# Allegro board 8880F5-0824_updates.brd (continued)
## Routing (per net, layer and track width the routed paths; a pad name or vN(x,y) marks a point on that pad's centre or on a via; arc(x,y) is an arc through that point) (continued)
114.3,77.01 ; D130.A12 115.11,76.2 ; 322.58,62.79 D302.A7 ; D302.A7 321.87,63.5 ; D302.A7 323.29,63.5 ; D302.A7 322.58,64.21 ; D104.A12 335.28,36.37 ; D104.A12 336.09,35.56 ; D104.A12 334.47,35.56 ; D104.A12 335.28,34.75 ; 330.33,240.85 SITE2.G3 ; SITE2.G3 330.33,241.81 ; SITE2.G3 330.81,241.33 ; SITE2.G3 329.85,241.33 ; 391.16,32.21 D108.A5 ; D108.A5 390.35,33.02 ; D108.A5 391.16,33.83 ; D108.A5 391.97,33.02 ; 311.61,415.29 DPS2.A15 ; DPS2.A15 312.42,414.48 ; DPS2.A15 313.23,415.29 ; DPS2.A15 312.42,416.1 ; 347.98,414.48 DPS2.A01 ; DPS2.A01 348.79,415.29 ; DPS2.A01 347.17,415.29 ; DPS2.A01 347.98,416.1 ; 37.29,93.98 D125.A11 ; D125.A11 38.91,93.98 ; D125.A11 38.1,94.79 ; D125.A11 38.1,93.17 ; 185.42,83.11 D317.A11 ; D317.A11 186.13,83.82 ; D317.A11 185.42,84.53 ; D317.A11 184.71,83.82 ; 176.99,373.38 D231.A10 ; D231.A10 178.61,373.38 ; D231.A10 177.8,372.57 ; D231.A10 177.8,374.19 ; D231.B7 186.23,370.84 ; D231.B7 185.42,370.03 ; D231.B7 184.61,370.84 ; D231.B7 185.42,371.65 ; 414.02,367.49 D111.B4 ; D111.B4 413.21,368.3 ; D111.B4 414.02,369.11 ; D111.B4 414.83,368.3 ; D107.A15 417.37,53.34 ; D107.A15 416.56,54.15 ; D107.A15 416.56,52.53 ; D107.A15 415.75,53.34 ; D322.B8 252.17,71.12 ; D322.B8 251.46,70.41 ; D322.B8 251.46,71.83 ; D322.B8 250.75,71.12 ; 248.92,339.55 CSDPS425.C11 ; CSDPS425.C11 248.92,341.17 ; CSDPS425.C11 249.73,340.36 ; CSDPS425.C11 248.11,340.36 ; 32.21,33.02 D128.A9 ; D128.A9 33.02,32.21 ; D128.A9 33.83,33.02 ; D128.A9 33.02,33.83 ; D301.B14 341.07,91.44 ; D301.B14 340.36,92.15 ; D301.B14 340.36,90.73 ; D301.B14 339.65,91.44 ; D115.A4 340.36,374.19 ; D115.A4 341.17,373.38 ; D115.A4 339.55,373.38 ; D115.A4 340.36,372.57 ; 388.62,60.15 D107.B4 ; D107.B4 387.81,60.96 ; D107.B4 389.43,60.96 ; D107.B4 388.62,61.77 ; D112.A2 419.1,394.51 ; D112.A2 419.1,392.89 ; D112.A2 418.29,393.7 ; D112.A2 419.91,393.7 ; 232.97,63.5 D322.A1 ; D322.A1 234.39,63.5 ; D322.A1 233.68,64.21 ; D132.A1 86.36,33.83 ; D132.A1 86.36,32.21 ; D132.A1 87.17,33.02 ; D132.A1 85.55,33.02 ; 482.59,227.61 UNK2U1.4 ; UNK2U1.4 481.65,228.55 ; UNK2U1.4 482.59,229.49 ; UNK2U1.4 483.53,228.55 ; 388.62,387.81 D112.B14 ; D112.B14 389.43,388.62 ; D112.B14 387.81,388.62 ; D112.B14 388.62,389.43 ; D302.B14 341.07,71.12 ; D302.B14 339.65,71.12 ; D302.B14 340.36,70.41 ; D302.B14 340.36,71.83 ; 327.66,37.29 D104.B9 ; D104.B9 326.85,38.1 ; D104.B9 327.66,38.91 ; D104.B9 328.47,38.1 ; D114.B16 309.88,348.79 ; D114.B16 310.69,347.98 ; D114.B16 309.07,347.98 ; D114.B16 309.88,347.17 ; D131.B14 119.38,61.77 ; D131.B14 120.19,60.96 ; D131.B14 118.57,60.96 ; D131.B14 119.38,60.15 ; D110.A13 391.16,356.41 ; D110.A13 391.16,354.79 ; D110.A13 390.35,355.6 ; D110.A13 391.97,355.6 ; 251.33,187.45 SITE3.G10 ; SITE3.G10 251.33,188.41 ; SITE3.G10 251.81,187.93 ; SITE3.G10 250.85,187.93 ; 123.65,55.88 D131.A16 ; D131.A16 124.46,55.07 ; D131.A16 125.27,55.88 ; D131.A16 124.46,56.69 ; D128.B2 16.05,40.64 ; D128.B2 15.24,41.45 ; D128.B2 14.43,40.64 ; D128.B2 15.24,39.83 ; D431.B13 170.18,381.81 ; D431.B13 170.18,380.19 ; D431.B13 169.37,381 ; D431.B13 170.99,381 ; 189.79,88.9 D317.B13 ; D317.B13 190.5,88.19 ; D317.B13 191.21,88.9 ; D317.B13 190.5,89.61 ; 49.99,60.96 D127.B16 ; D127.B16 50.8,61.77 ; D127.B16 50.8,60.15 ; D127.B16 51.61,60.96 ; D110.A9 402.13,355.6 ; D110.A9 401.32,356.41 ; D110.A9 400.51,355.6 ; D110.A9 401.32,354.79 ; D322.B9 254,69.29 ; D322.B9 254,67.87 ; D322.B9 253.29,68.58 ; D322.B9 254.71,68.58 ; D302.A2 310.59,66.04 ; D302.A2 309.17,66.04 ; D302.A2 309.88,66.75 ; D302.A2 309.88,65.33 ; 309.88,90.73 D301.B2 ; D301.B2 309.17,91.44 ; D301.B2 310.59,91.44 ; D301.B2 309.88,92.15 ; D231.A14 168.45,373.38 ; D231.A14 167.64,372.57 ; D231.A14 167.64,374.19 ; D231.A14 166.83,373.38 ; D112.B6 408.94,389.43 ; D112.B6 408.13,388.62 ; D112.B6 409.75,388.62 ; D112.B6 408.94,387.81 ; DPS8.A05 190.5,416.1 ; DPS8.A05 190.5,414.48 ; DPS8.A05 189.69,415.29 ; DPS8.A05 191.31,415.29 ; 410.67,350.52 D110.B5 ; D110.B5 412.29,350.52 ; D110.B5 411.48,351.33 ; D110.B5 411.48,349.71 ; D231.A1 201.47,375.92 ; D231.A1 200.66,376.73 ; D231.A1 200.66,375.11 ; D231.A1 199.85,375.92 ; 240.49,332.74 CSDPS225.B14 ; CSDPS225.B14 241.3,333.55 ; CSDPS225.B14 241.3,331.93 ; CSDPS225.B14 242.11,332.74 ; D119.B2 163.37,60.96 ; D119.B2 162.56,60.15 ; D119.B2 161.75,60.96 ; D104.B15 343.71,38.1 ; D104.B15 342.9,38.91 ; D104.B15 342.09,38.1 ; D104.B15 342.9,37.29 ; D115.B2 345.44,369.11 ; D115.B2 345.44,367.49 ; D115.B2 346.25,368.3 ; D115.B2 344.63,368.3 ; 27.13,73.66 D126.A7 ; D126.A7 27.94,72.85 ; D126.A7 28.75,73.66 ; D126.A7 27.94,74.47 ; 320.04,331.93 D113.A12 ; D113.A12 320.04,333.55 ; D113.A12 320.85,332.74 ; D113.A12 319.23,332.74 ; D128.B15 48.26,38.91 ; D128.B15 48.26,37.29 ; D128.B15 47.45,38.1 ; D128.B15 49.07,38.1 ; D305.B9 402.03,88.9 ; D305.B9 400.61,88.9 ; D305.B9 401.32,89.61 ; D305.B9 401.32,88.19 ; SITE1.G12 253.33,248.41 ; SITE1.G12 253.81,247.93 ; SITE1.G12 253.33,247.45 ; SITE1.G12 252.85,247.93 ; D122.A3 239.57,73.66 ; D122.A3 237.95,73.66 ; D122.A3 238.76,72.85 ; D122.A3 238.76,74.47 ; 268.43,330.2 CSDPS225.C3 ; CSDPS225.C3 269.24,331.01 ; CSDPS225.C3 270.05,330.2 ; CSDPS225.C3 269.24,329.39 ; D114.B2 346.25,347.98 ; D114.B2 345.44,348.79 ; D114.B2 344.63,347.98 ; D114.B2 345.44,347.17 ; D231.B3 196.39,370.84 ; D231.B3 195.58,370.03 ; D231.B3 195.58,371.65 ; D231.B3 194.77,370.84 ; 238.76,88.19 D321.B3 ; D321.B3 238.05,88.9 ; D321.B3 239.47,88.9 ; D321.B3 238.76,89.61 ; D119.B9 181.15,58.42 ; D119.B9 180.34,59.23 ; D119.B9 179.53,58.42 ; D119.B9 180.34,57.61 ; 311.61,335.28 D113.A15 ; D113.A15 312.42,336.09 ; D113.A15 312.42,334.47 ; D113.A15 313.23,335.28 ; 319.23,327.66 D113.B12 ; D113.B12 320.04,326.85 ; D113.B12 320.04,328.47 ; D113.B12 320.85,327.66 ; 331.85,241.33 SITE2.G5 ; SITE2.G5 332.81,241.33 ; SITE2.G5 332.33,240.85 ; SITE2.G5 332.33,241.81 ; D119.A13 191.31,53.34 ; D119.A13 190.5,52.53 ; D119.A13 189.69,53.34 ; D119.A13 190.5,54.15 ; D122.A4 241.3,77.01 ; D122.A4 241.3,75.39 ; D122.A4 240.49,76.2 ; D122.A4 242.11,76.2 ; D130.B10 109.22,82.09 ; D130.B10 109.22,80.47 ; D130.B10 108.41,81.28 ; D130.B10 110.03,81.28 ; D106.A5 391.97,73.66 ; D106.A5 391.16,72.85 ; D106.A5 391.16,74.47 ; D106.A5 390.35,73.66 ; D108.A12 408.94,36.37 ; D108.A12 408.94,34.75 ; D108.A12 408.13,35.56 ; D108.A12 409.75,35.56 ; D120.A2 162.56,36.37 ; D120.A2 163.37,35.56 ; D120.A2 161.75,35.56 ; D120.A2 162.56,34.75 ; D106.B13 412.29,78.74 ; D106.B13 411.48,79.55 ; D106.B13 411.48,77.93 ; D106.B13 410.67,78.74 ; D130.A15 121.92,74.47 ; D130.A15 121.92,72.85 ; D130.A15 122.73,73.66 ; D130.A15 121.11,73.66 ; D322.B3 238.76,69.29 ; D322.B3 238.76,67.87 ; D322.B3 239.47,68.58 ; D322.B3 238.05,68.58 ; D302.A6 320.75,66.04 ; D302.A6 319.33,66.04 ; D302.A6 320.04,65.33 ; D302.A6 320.04,66.75 ; 320.04,90.73 D301.B6 ; D301.B6 320.75,91.44 ; D301.B6 319.33,91.44 ; D301.B6 320.04,92.15 ; D306.A14 414.02,66.75 ; D306.A14 413.31,66.04 ; D306.A14 414.73,66.04 ; D306.A14 414.02,65.33 ; D301.A8 325.12,87.07 ; D301.A8 324.41,86.36 ; D301.A8 325.83,86.36 ; D301.A8 325.12,85.65 ; 309.88,80.47 D102.B2 ; D102.B2 309.07,81.28 ; D102.B2 309.88,82.09 ; D102.B2 310.69,81.28 ; D317.B8 177.8,92.15 ; D317.B8 177.8,90.73 ; D317.B8 177.09,91.44 ; D317.B8 178.51,91.44 ; 321.77,396.24 D116.A11 ; D116.A11 322.58,397.05 ; D116.A11 323.39,396.24 ; D116.A11 322.58,395.43 ; 185.42,88.19 D317.B11 ; D317.B11 185.42,89.61 ; D317.B11 186.13,88.9 ; D317.B11 184.71,88.9 ; 243.03,340.36 CSDPS425.C13 ; CSDPS425.C13 243.84,339.55 ; CSDPS425.C13 244.65,340.36 ; CSDPS425.C13 243.84,341.17 ; D322.A11 259.79,63.5 ; D322.A11 259.08,62.79 ; D322.A11 259.08,64.21 ; D322.A11 258.37,63.5 ; 250.85,247.93 SITE1.G10 ; SITE1.G10 251.81,247.93 ; SITE1.G10 251.33,248.41 ; SITE1.G10 251.33,247.45 ; D431.B12 172.72,379.27 ; D431.B12 173.53,378.46 ; D431.B12 171.91,378.46 ; D431.B12 172.72,377.65 ; 415.75,335.28 D109.A3 ; D109.A3 416.56,336.09 ; D109.A3 416.56,334.47 ; D109.A3 417.37,335.28 ; D113.B16 309.88,328.47 ; D113.B16 310.69,327.66 ; D113.B16 309.07,327.66 ; D113.B16 309.88,326.85 ; 97.14,218.21 U2.4 ; U2.4 98.08,219.15 ; U2.4 96.2,219.15 ; 518.92,202.51 S4_I2C.4 ; S4_I2C.4 517.98,203.45 ; S4_I2C.4 519.86,203.45 ; S4_I2C.4 518.92,204.39 ; D302.B7 322.58,69.29 ; D302.B7 322.58,67.87 ; D302.B7 323.29,68.58 ; D302.B7 321.87,68.58 ; 403.86,326.85 D109.B8 ; D109.B8 404.67,327.66 ; D109.B8 403.86,328.47 ; D109.B8 403.05,327.66 ; SITE4.G8 329.33,188.41 ; SITE4.G8 329.81,187.93 ; SITE4.G8 328.85,187.93 ; SITE4.G8 329.33,187.45 ; 185.42,62.79 D318.A11 ; D318.A11 185.42,64.21 ; D318.A11 186.13,63.5 ; D318.A11 184.71,63.5 ; D118.B3 165.1,79.55 ; D118.B3 165.1,77.93 ; D118.B3 164.29,78.74 ; D118.B3 165.91,78.74 ; 124.46,39.83 D132.B16 ; D132.B16 124.46,41.45 ; D132.B16 123.65,40.64 ; D132.B16 125.27,40.64 ; D107.B7 397.05,58.42 ; D107.B7 396.24,57.61 ; D107.B7 396.24,59.23 ; D107.B7 395.43,58.42 ; 93.98,75.39 D130.A4 ; D130.A4 93.98,77.01 ; D130.A4 94.79,76.2 ; D130.A4 93.17,76.2 ; D102.A12 335.28,77.01 ; D102.A12 334.47,76.2 ; D102.A12 335.28,75.39 ; D102.A12 336.09,76.2 ; SITE4.G12 333.81,187.93 ; SITE4.G12 333.33,188.41 ; SITE4.G12 333.33,187.45 ; SITE4.G12 332.85,187.93 ; D132.B8 104.95,40.64 ; D132.B8 103.33,40.64 ; D132.B8 104.14,41.45 ; D132.B8 104.14,39.83 ; 29.67,81.28 D126.B8 ; D126.B8 30.48,82.09 ; D126.B8 30.48,80.47 ; D126.B8 31.29,81.28 ; D112.B3 417.37,391.16 ; D112.B3 416.56,391.97 ; D112.B3 415.75,391.16 ; D112.B3 416.56,390.35 ; 48.26,72.85 D126.A15 ; D126.A15 48.26,74.47 ; D126.A15 47.45,73.66 ; D126.A15 49.07,73.66 ; D106.A3 386.89,73.66 ; D106.A3 386.08,72.85 ; D106.A3 385.27,73.66 ; D106.A3 386.08,74.47 ; D125.B4 21.13,101.6 ; D125.B4 20.32,102.41 ; D125.B4 19.51,101.6 ; D125.B4 20.32,100.79 ; D108.B16 419.1,41.45 ; D108.B16 419.91,40.64 ; D108.B16 419.1,39.83 ; D108.B16 418.29,40.64 ; 187.96,90.73 D317.B12 ; D317.B12 187.25,91.44 ; D317.B12 187.96,92.15 ; D317.B12 188.67,91.44 ; 390.35,391.16 D112.B13 ; D112.B13 391.16,390.35 ; D112.B13 391.16,391.97 ; D112.B13 391.97,391.16 ; 421.64,329.39 D109.B1 ; D109.B1 422.45,330.2 ; D109.B1 421.64,331.01 ; D109.B1 420.83,330.2 ; 29.67,40.64 D128.B8 ; D128.B8 30.48,39.83 ; D128.B8 31.29,40.64 ; D128.B8 30.48,41.45 ; 169.37,33.02 D120.A5 ; D120.A5 170.18,33.83 ; D120.A5 170.99,33.02 ; D120.A5 170.18,32.21 ; D122.A10 256.54,77.01 ; D122.A10 255.73,76.2 ; D122.A10 257.35,76.2 ; D122.A10 256.54,75.39 ; 317.5,375.11 D115.A13 ; D115.A13 318.31,375.92 ; D115.A13 317.5,376.73 ; D115.A13 316.69,375.92 ; D317.A5 170.18,84.53 ; D317.A5 169.47,83.82 ; D317.A5 170.89,83.82 ; D317.A5 170.18,83.11 ; D132.A2 88.9,36.37 ; D132.A2 89.71,35.56 ; D132.A2 88.9,34.75 ; D132.A2 88.09,35.56 ; D110.B12 394.51,347.98 ; D110.B12 393.7,348.79 ; D110.B12 393.7,347.17 ; D110.B12 392.89,347.98 ; D125.A10 35.56,97.33 ; D125.A10 34.75,96.52 ; D125.A10 36.37,96.52 ; D125.A10 35.56,95.71 ; SITE4.G2 329.33,181.81 ; SITE4.G2 329.33,180.85 ; SITE4.G2 328.85,181.33 ; SITE4.G2 329.81,181.33 ; 179.63,68.58 D318.B9 ; D318.B9 181.05,68.58 ; D318.B9 180.34,69.29 ; D318.B9 180.34,67.87 ; 40.64,34.75 D128.A12 ; D128.A12 40.64,36.37 ; D128.A12 41.45,35.56 ; D128.A12 39.83,35.56 ; D113.B6 335.28,328.47 ; D113.B6 334.47,327.66 ; D113.B6 336.09,327.66 ; D113.B6 335.28,326.85 ; SITE4.G14 330.23,183.31 ; SITE4.G14 330.23,182.35 ; SITE4.G14 329.75,182.83 ; SITE4.G14 330.71,182.83 ; 395.53,88.9 D305.B7 ; D305.B7 396.24,89.61 ; D305.B7 396.95,88.9 ; D305.B7 396.24,88.19 ; 177.09,71.12 D318.B8 ; D318.B8 177.8,70.41 ; D318.B8 178.51,71.12 ; D318.B8 177.8,71.83 ; 194.87,63.5 D318.A15 ; D318.A15 196.29,63.5 ; D318.A15 195.58,64.21 ; 29.67,96.52 D125.A8 ; D125.A8 30.48,97.33 ; D125.A8 30.48,95.71 ; D125.A8 31.29,96.52 ; CSDPS229.C15 165.91,330.2 ; CSDPS229.C15 164.29,330.2 ; CSDPS229.C15 165.1,329.39 ; CSDPS229.C15 165.1,331.01 ; D125.A15 48.26,94.79 ; D125.A15 49.07,93.98 ; D125.A15 48.26,93.17 ; D125.A15 47.45,93.98 ; 329.39,347.98 D114.B8 ; D114.B8 330.2,348.79 ; D114.B8 331.01,347.98 ; D114.B8 330.2,347.17 ; 182.88,342.09 CSDPS429.B8 ; CSDPS429.B8 182.07,342.9 ; CSDPS429.B8 182.88,343.71 ; CSDPS429.B8 183.69,342.9 ; D103.A10 330.2,56.69 ; D103.A10 329.39,55.88 ; D103.A10 331.01,55.88 ; D103.A10 330.2,55.07 ; 329.49,66.04 D302.A10 ; D302.A10 330.91,66.04 ; D302.A10 330.2,66.75 ; D302.A10 330.2,65.33 ; 44.91,55.88 D127.A14 ; D127.A14 46.53,55.88 ; D127.A14 45.72,56.69 ; D127.A14 45.72,55.07 ; CSDPS229.B16 162.56,333.55 ; CSDPS229.B16 162.56,331.93 ; CSDPS229.B16 161.75,332.74 ; CSDPS229.B16 163.37,332.74 ; D103.A12 336.09,55.88 ; D103.A12 335.28,56.69 ; D103.A12 335.28,55.07 ; D103.A12 334.47,55.88 ; 309.88,367.49 D115.B16 ; D115.B16 309.88,369.11 ; D115.B16 310.69,368.3 ; D115.B16 309.07,368.3 ; D431.B5 190.5,381.81 ; D431.B5 190.5,380.19 ; D431.B5 189.69,381 ; D431.B5 191.31,381 ; D107.B10 403.86,61.77 ; D107.B10 403.05,60.96 ; D107.B10 404.67,60.96 ; D107.B10 403.86,60.15 ; 332.03,63.5 D302.A11 ; D302.A11 333.45,63.5 ; D302.A11 332.74,62.79 ; D302.A11 332.74,64.21 ; D112.A10 399.59,393.7 ; D112.A10 397.97,393.7 ; D112.A10 398.78,392.89 ; D112.A10 398.78,394.51 ; D107.A6 394.51,55.88 ; D107.A6 393.7,56.69 ; D107.A6 393.7,55.07 ; D107.A6 392.89,55.88 ; DPS3.C11 259.89,19.05 ; DPS3.C11 259.08,19.86 ; DPS3.C11 258.27,19.05 ; DPS3.C11 259.08,18.24 ; 182.88,331.93 CSDPS229.B8 ; CSDPS229.B8 183.69,332.74 ; CSDPS229.B8 182.88,333.55 ; CSDPS229.B8 182.07,332.74 ; DPS1.C01 381,19.86 ; DPS1.C01 381,18.24 ; DPS1.C01 381.81,19.05 ; DPS1.C01 380.19,19.05 ; D131.B3 91.44,59.23 ; D131.B3 92.25,58.42 ; D131.B3 90.63,58.42 ; D131.B3 91.44,57.61 ; 260.81,40.64 D124.B12 ; D124.B12 261.62,41.45 ; D124.B12 262.43,40.64 ; D124.B12 261.62,39.83 ; 382.73,40.64 D108.B2 ; D108.B2 384.35,40.64 ; D108.B2 383.54,39.83 ; D108.B2 383.54,41.45 ; D102.B9 328.47,78.74 ; D102.B9 327.66,79.55 ; D102.B9 326.85,78.74 ; D102.B9 327.66,77.93 ; D318.B4 168.35,71.12 ; D318.B4 167.64,71.83 ; D318.B4 166.93,71.12 ; D318.B4 167.64,70.41 ; D302.A15 343.61,63.5 ; D302.A15 342.19,63.5 ; D302.A15 342.9,64.21 ; D107.A3 386.89,53.34 ; D107.A3 385.27,53.34 ; D107.A3 386.08,52.53 ; D107.A3 386.08,54.15 ; 383.54,85.65 D305.A2 ; D305.A2 384.25,86.36 ; D305.A2 383.54,87.07 ; D305.A2 382.83,86.36 ; D103.B4 314.96,61.77 ; D103.B4 314.15,60.96 ; D103.B4 315.77,60.96 ; D103.B4 314.96,60.15 ; D109.B6 408.94,328.47 ; D109.B6 408.94,326.85 ; D109.B6 409.75,327.66 ; D109.B6 408.13,327.66 ; D118.B1 160.02,79.55 ; D118.B1 160.02,77.93 ; D118.B1 159.21,78.74 ; D118.B1 160.83,78.74 ; 329.75,246.43 SITE2.G18 ; SITE2.G18 330.23,245.95 ; SITE2.G18 330.23,246.91 ; SITE2.G18 330.71,246.43 ; D108.B13 412.29,38.1 ; D108.B13 411.48,37.29 ; D108.B13 410.67,38.1 ; D108.B13 411.48,38.91 ; D130.A3 91.44,74.47 ; D130.A3 90.63,73.66 ; D130.A3 91.44,72.85 ; D130.A3 92.25,73.66 ; 100.79,93.98 D129.A7 ; D129.A7 102.41,93.98 ; D129.A7 101.6,94.79 ; D129.A7 101.6,93.17 ; 194.87,68.58 D318.B15 ; D318.B15 195.58,67.87 ; D318.B15 195.58,69.29 ; D318.B15 196.29,68.58 ; D110.B1 421.64,351.33 ; D110.B1 421.64,349.71 ; D110.B1 420.83,350.52 ; D110.B1 422.45,350.52 ; D115.B1 347.98,371.65 ; D115.B1 347.98,370.03 ; D115.B1 347.17,370.84 ; D115.B1 348.79,370.84 ; D305.A16 419.81,86.36 ; D305.A16 418.39,86.36 ; D305.A16 419.1,85.65 ; D305.A16 419.1,87.07 ; 393.7,367.49 D111.B12 ; D111.B12 393.7,369.11 ; D111.B12 392.89,368.3 ; D111.B12 394.51,368.3 ; 246.38,85.65 D321.A6 ; D321.A6 245.67,86.36 ; D321.A6 247.09,86.36 ; D321.A6 246.38,87.07 ; CSDPS425.C3 270.05,340.36 ; CSDPS425.C3 269.24,339.55 ; CSDPS425.C3 269.24,341.17 ; CSDPS425.C3 268.43,340.36 ; D431.A16 162.56,384.35 ; D431.A16 161.75,383.54 ; D431.A16 162.56,382.73 ; D431.A16 163.37,383.54 ; 249.33,180.85 SITE3.G2 ; SITE3.G2 249.81,181.33 ; SITE3.G2 248.85,181.33 ; SITE3.G2 249.33,181.81 ; D123.A8 252.27,55.88 ; D123.A8 251.46,55.07 ; D123.A8 250.65,55.88 ; D123.A8 251.46,56.69 ; 116.03,99.06 D129.B13 ; D129.B13 116.84,99.87 ; D129.B13 117.65,99.06 ; D129.B13 116.84,98.25 ; D124.B7 249.73,38.1 ; D124.B7 248.11,38.1 ; D124.B7 248.92,38.91 ; D124.B7 248.92,37.29 ; D113.B13 318.31,330.2 ; D113.B13 317.5,329.39 ; D113.B13 317.5,331.01 ; D113.B13 316.69,330.2 ; D306.A10 403.86,66.75 ; D306.A10 403.15,66.04 ; D306.A10 404.57,66.04 ; D306.A10 403.86,65.33 ; D131.B7 102.41,58.42 ; D131.B7 101.6,59.23 ; D131.B7 100.79,58.42 ; D131.B7 101.6,57.61 ; 189.69,370.84 D231.B5 ; D231.B5 190.5,370.03 ; D231.B5 190.5,371.65 ; D231.B5 191.31,370.84 ; 260.81,81.28 D122.B12 ; D122.B12 261.62,82.09 ; D122.B12 262.43,81.28 ; D122.B12 261.62,80.47 ; D318.A5 170.89,63.5 ; D318.A5 169.47,63.5 ; D318.A5 170.18,64.21 ; 174.45,330.2 CSDPS229.C11 ; CSDPS229.C11 175.26,331.01 ; CSDPS229.C11 175.26,329.39 ; CSDPS229.C11 176.07,330.2 ; D115.B4 340.36,369.11 ; D115.B4 339.55,368.3 ; D115.B4 341.17,368.3 ; D115.B4 340.36,367.49 ; SITE1.G20 252.63,246.91 ; SITE1.G20 253.11,246.43 ; SITE1.G20 252.15,246.43 ; SITE1.G20 252.63,245.95 ; 254,83.11 D321.A9 ; D321.A9 254.71,83.82 ; D321.A9 253.29,83.82 ; D321.A9 254,84.53 ; 38.1,57.61 D127.B11 ; D127.B11 38.91,58.42 ; D127.B11 38.1,59.23 ; D127.B11 37.29,58.42 ; 326.85,391.16 D116.B9 ; D116.B9 327.66,391.97 ; D116.B9 327.66,390.35 ; D116.B9 328.47,391.16 ; 418.39,71.12 D306.B16 ; D306.B16 419.81,71.12 ; D306.B16 419.1,70.41 ; 388.62,347.17 D110.B14 ; D110.B14 387.81,347.98 ; D110.B14 389.43,347.98 ; D110.B14 388.62,348.79 ; D108.B5 391.16,38.91 ; D108.B5 391.16,37.29 ; D108.B5 391.97,38.1 ; D108.B5 390.35,38.1 ; 250.95,186.43 SITE3.G19 ; SITE3.G19 251.43,185.95 ; SITE3.G19 251.43,186.91 ; SITE3.G19 251.91,186.43 ; 347.98,329.39 D113.B1 ; D113.B1 347.17,330.2 ; D113.B1 348.79,330.2 ; D113.B1 347.98,331.01 ; 314.96,352.25 D114.A14 ; D114.A14 314.15,353.06 ; D114.A14 314.96,353.87 ; D114.A14 315.77,353.06 ; 380.19,33.02 D108.A1 ; D108.A1 381,33.83 ; D108.A1 381.81,33.02 ; D108.A1 381,32.21 ; D305.B15 417.27,88.9 ; D305.B15 416.56,88.19 ; D305.B15 415.85,88.9 ; D305.B15 416.56,89.61 ; D129.B2 89.71,101.6 ; D129.B2 88.9,102.41 ; D129.B2 88.9,100.79 ; D129.B2 88.09,101.6 ; D109.A5 412.29,335.28 ; D109.A5 411.48,334.47 ; D109.A5 411.48,336.09 ; D109.A5 410.67,335.28 ; D103.A1 307.34,54.15 ; D103.A1 308.15,53.34 ; D103.A1 306.53,53.34 ; D103.A1 307.34,52.53 ; 85.55,73.66 D130.A1 ; D130.A1 87.17,73.66 ; D130.A1 86.36,74.47 ; D130.A1 86.36,72.85 ; CSDPS225.B16 236.22,333.55 ; CSDPS225.B16 236.22,331.93 ; CSDPS225.B16 237.03,332.74 ; CSDPS225.B16 235.41,332.74 ; D107.A7 397.05,53.34 ; D107.A7 396.24,54.15 ; D107.A7 395.43,53.34 ; D107.A7 396.24,52.53 ; D104.B4 315.77,40.64 ; D104.B4 314.96,41.45 ; D104.B4 314.96,39.83 ; D104.B4 314.15,40.64 ; 90.63,93.98 D129.A3 ; D129.A3 92.25,93.98 ; D129.A3 91.44,93.17 ; D129.A3 91.44,94.79 ; 165.1,67.87 D318.B3 ; D318.B3 165.1,69.29 ; D318.B3 165.81,68.58 ; D318.B3 164.39,68.58 ; 15.24,80.47 D126.B2 ; D126.B2 16.05,81.28 ; D126.B2 14.43,81.28 ; D126.B2 15.24,82.09 ; 180.34,52.53 D119.A9 ; D119.A9 181.15,53.34 ; D119.A9 179.53,53.34 ; D119.A9 180.34,54.15 ; D122.B8 251.46,82.09 ; D122.B8 251.46,80.47 ; D122.B8 252.27,81.28 ; D122.B8 250.65,81.28 ; 401.32,370.03 D111.B9 ; D111.B9 401.32,371.65 ; D111.B9 400.51,370.84 ; D111.B9 402.13,370.84 ; D102.B14 340.36,82.09 ; D102.B14 339.55,81.28 ; D102.B14 341.17,81.28 ; D102.B14 340.36,80.47 ; S3_I2C.4 84.25,209.04 ; S3_I2C.4 83.31,209.98 ; S3_I2C.4 83.31,208.1 ; D114.A13 317.5,356.41 ; D114.A13 317.5,354.79 ; D114.A13 316.69,355.6 ; D114.A13 318.31,355.6 ; DPS2.A11 323.39,415.29 ; DPS2.A11 322.58,416.1 ; DPS2.A11 322.58,414.48 ; DPS2.A11 321.77,415.29 ; D119.A12 187.96,56.69 ; D119.A12 187.15,55.88 ; D119.A12 187.96,55.07 ; D119.A12 188.77,55.88 ; 264.16,37.29 D124.B13 ; D124.B13 264.16,38.91 ; D124.B13 264.97,38.1 ; D124.B13 263.35,38.1 ; SITE4.G1 328.33,181.81 ; SITE4.G1 327.85,181.33 ; SITE4.G1 328.33,180.85 ; SITE4.G1 328.81,181.33 ; D116.B11 323.39,391.16 ; D116.B11 322.58,391.97 ; D116.B11 321.77,391.16 ; D116.B11 322.58,390.35 ; D118.B7 176.07,78.74 ; D118.B7 175.26,79.55 ; D118.B7 175.26,77.93 ; D118.B7 174.45,78.74 ; D128.A10 36.37,35.56 ; D128.A10 35.56,34.75 ; D128.A10 35.56,36.37 ; D128.A10 34.75,35.56 ; 391.16,57.61 D107.B5 ; D107.B5 391.16,59.23 ; D107.B5 391.97,58.42 ; D107.B5 390.35,58.42 ; 331.33,247.45 SITE2.G10 ; SITE2.G10 331.81,247.93 ; SITE2.G10 330.85,247.93 ; SITE2.G10 331.33,248.41 ; D120.A15 195.58,33.83 ; D120.A15 196.39,33.02 ; D120.A15 194.77,33.02 ; D120.A15 195.58,3